# KiCad board LC_RFE-RevA2.kicad_pcb
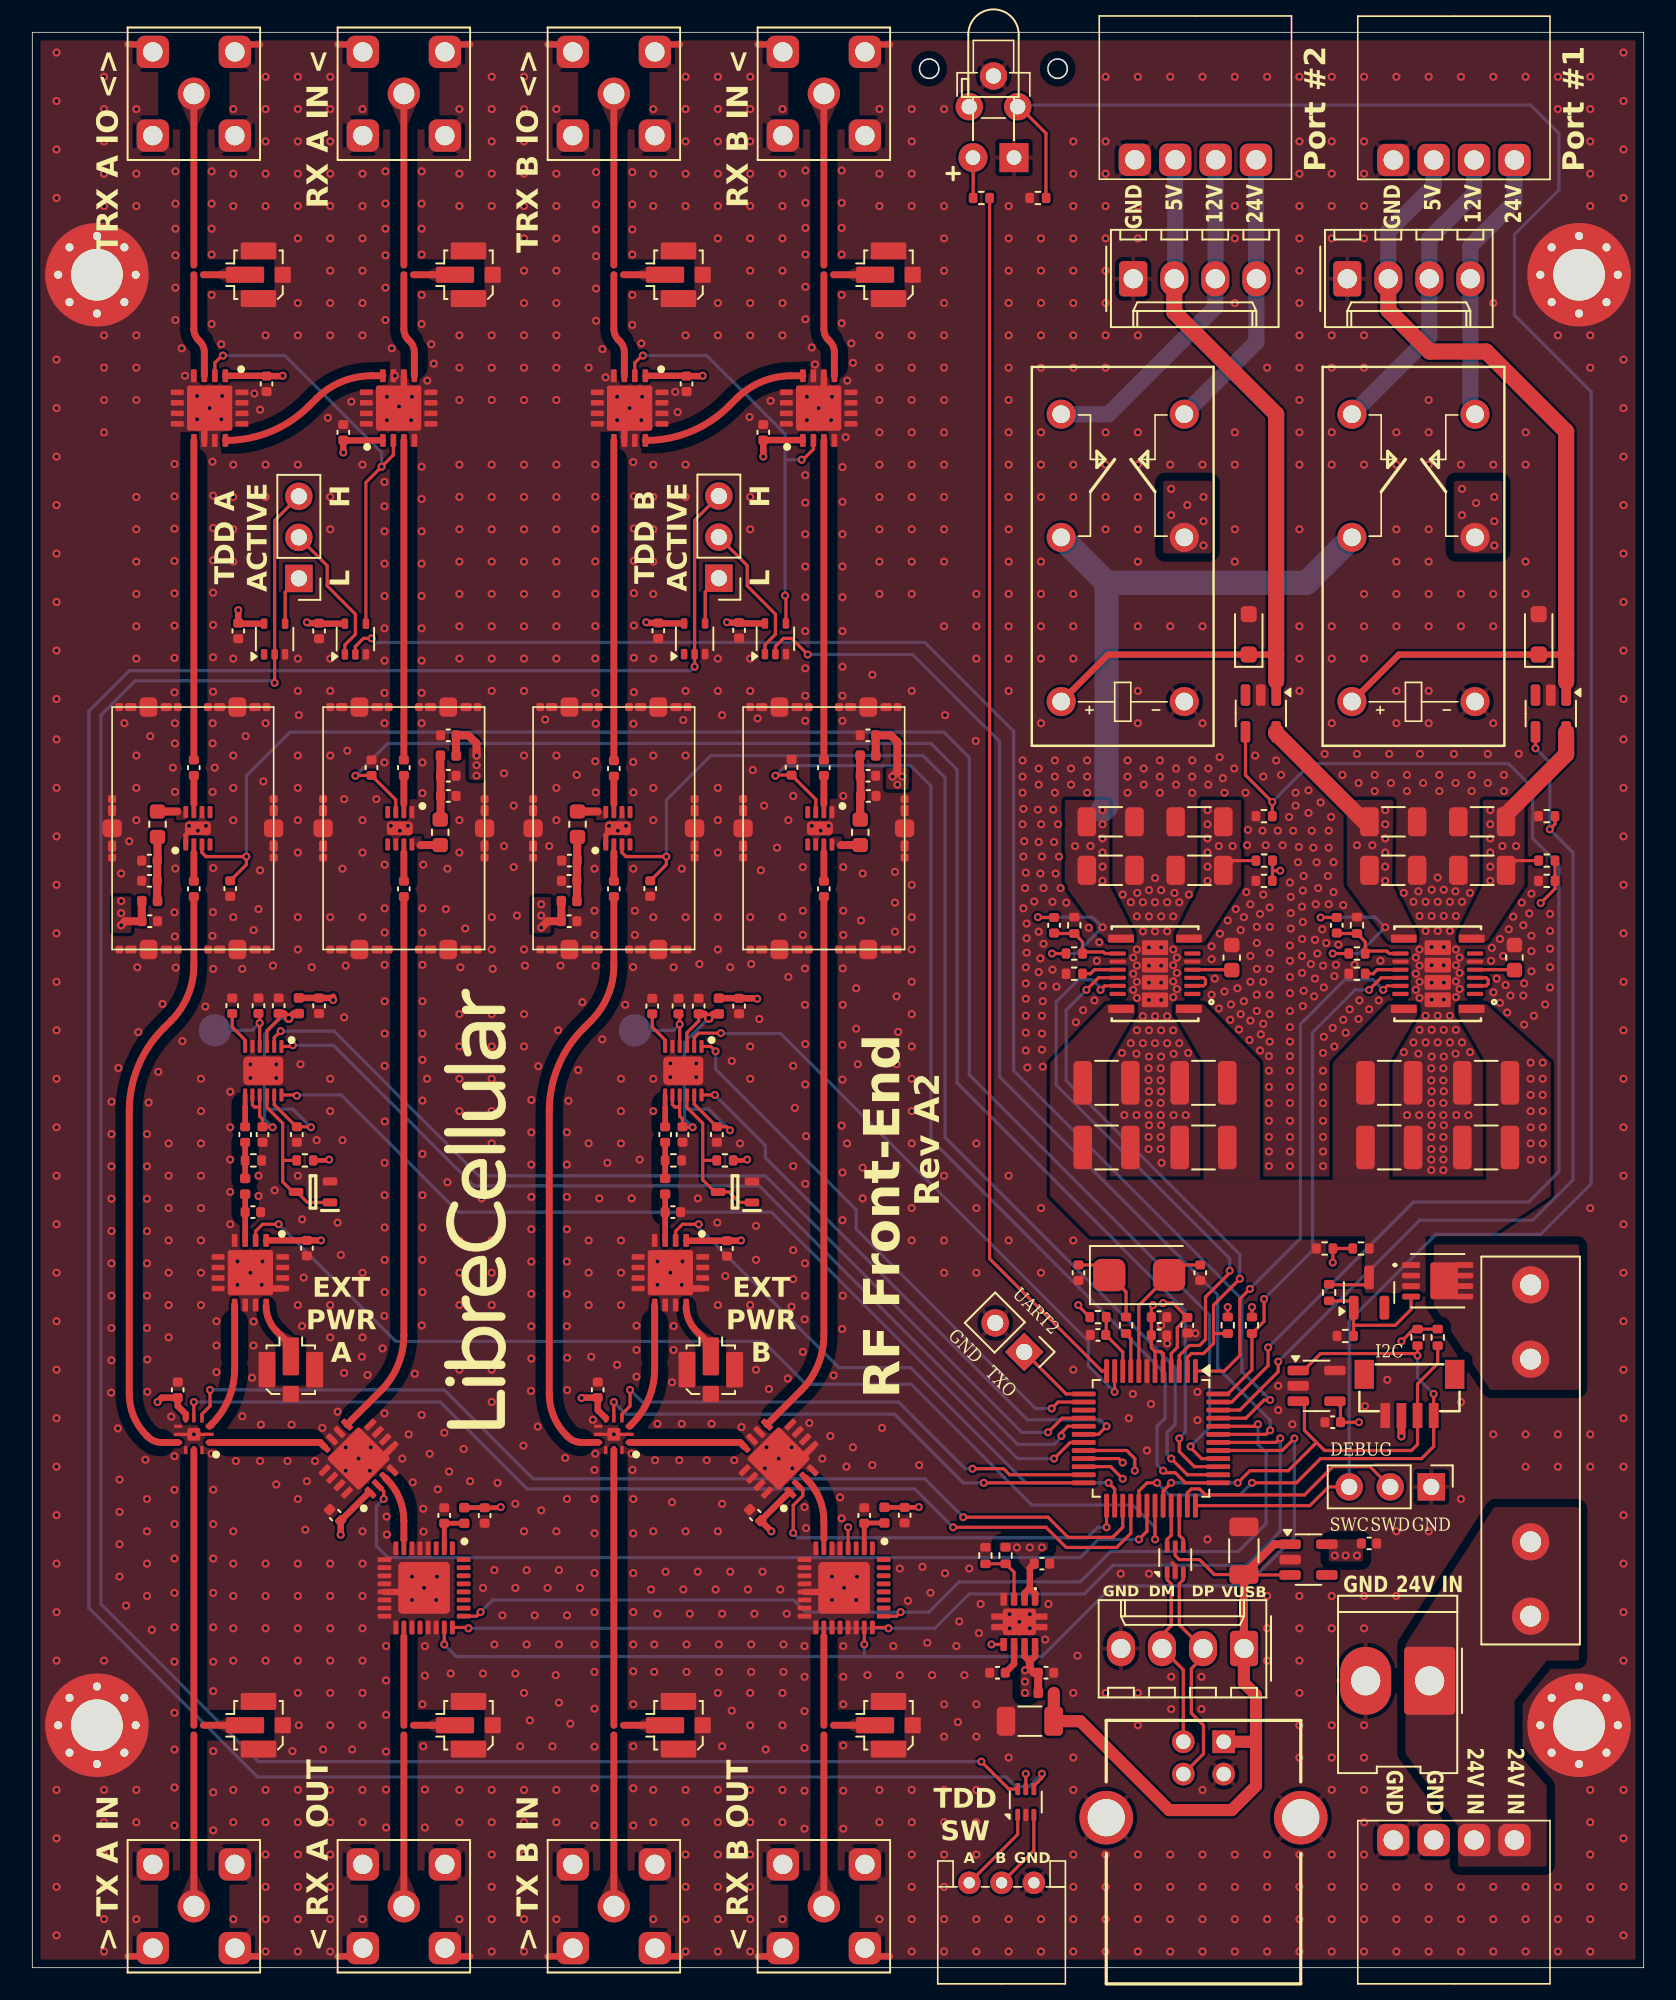
[diagram p0: board, top side]
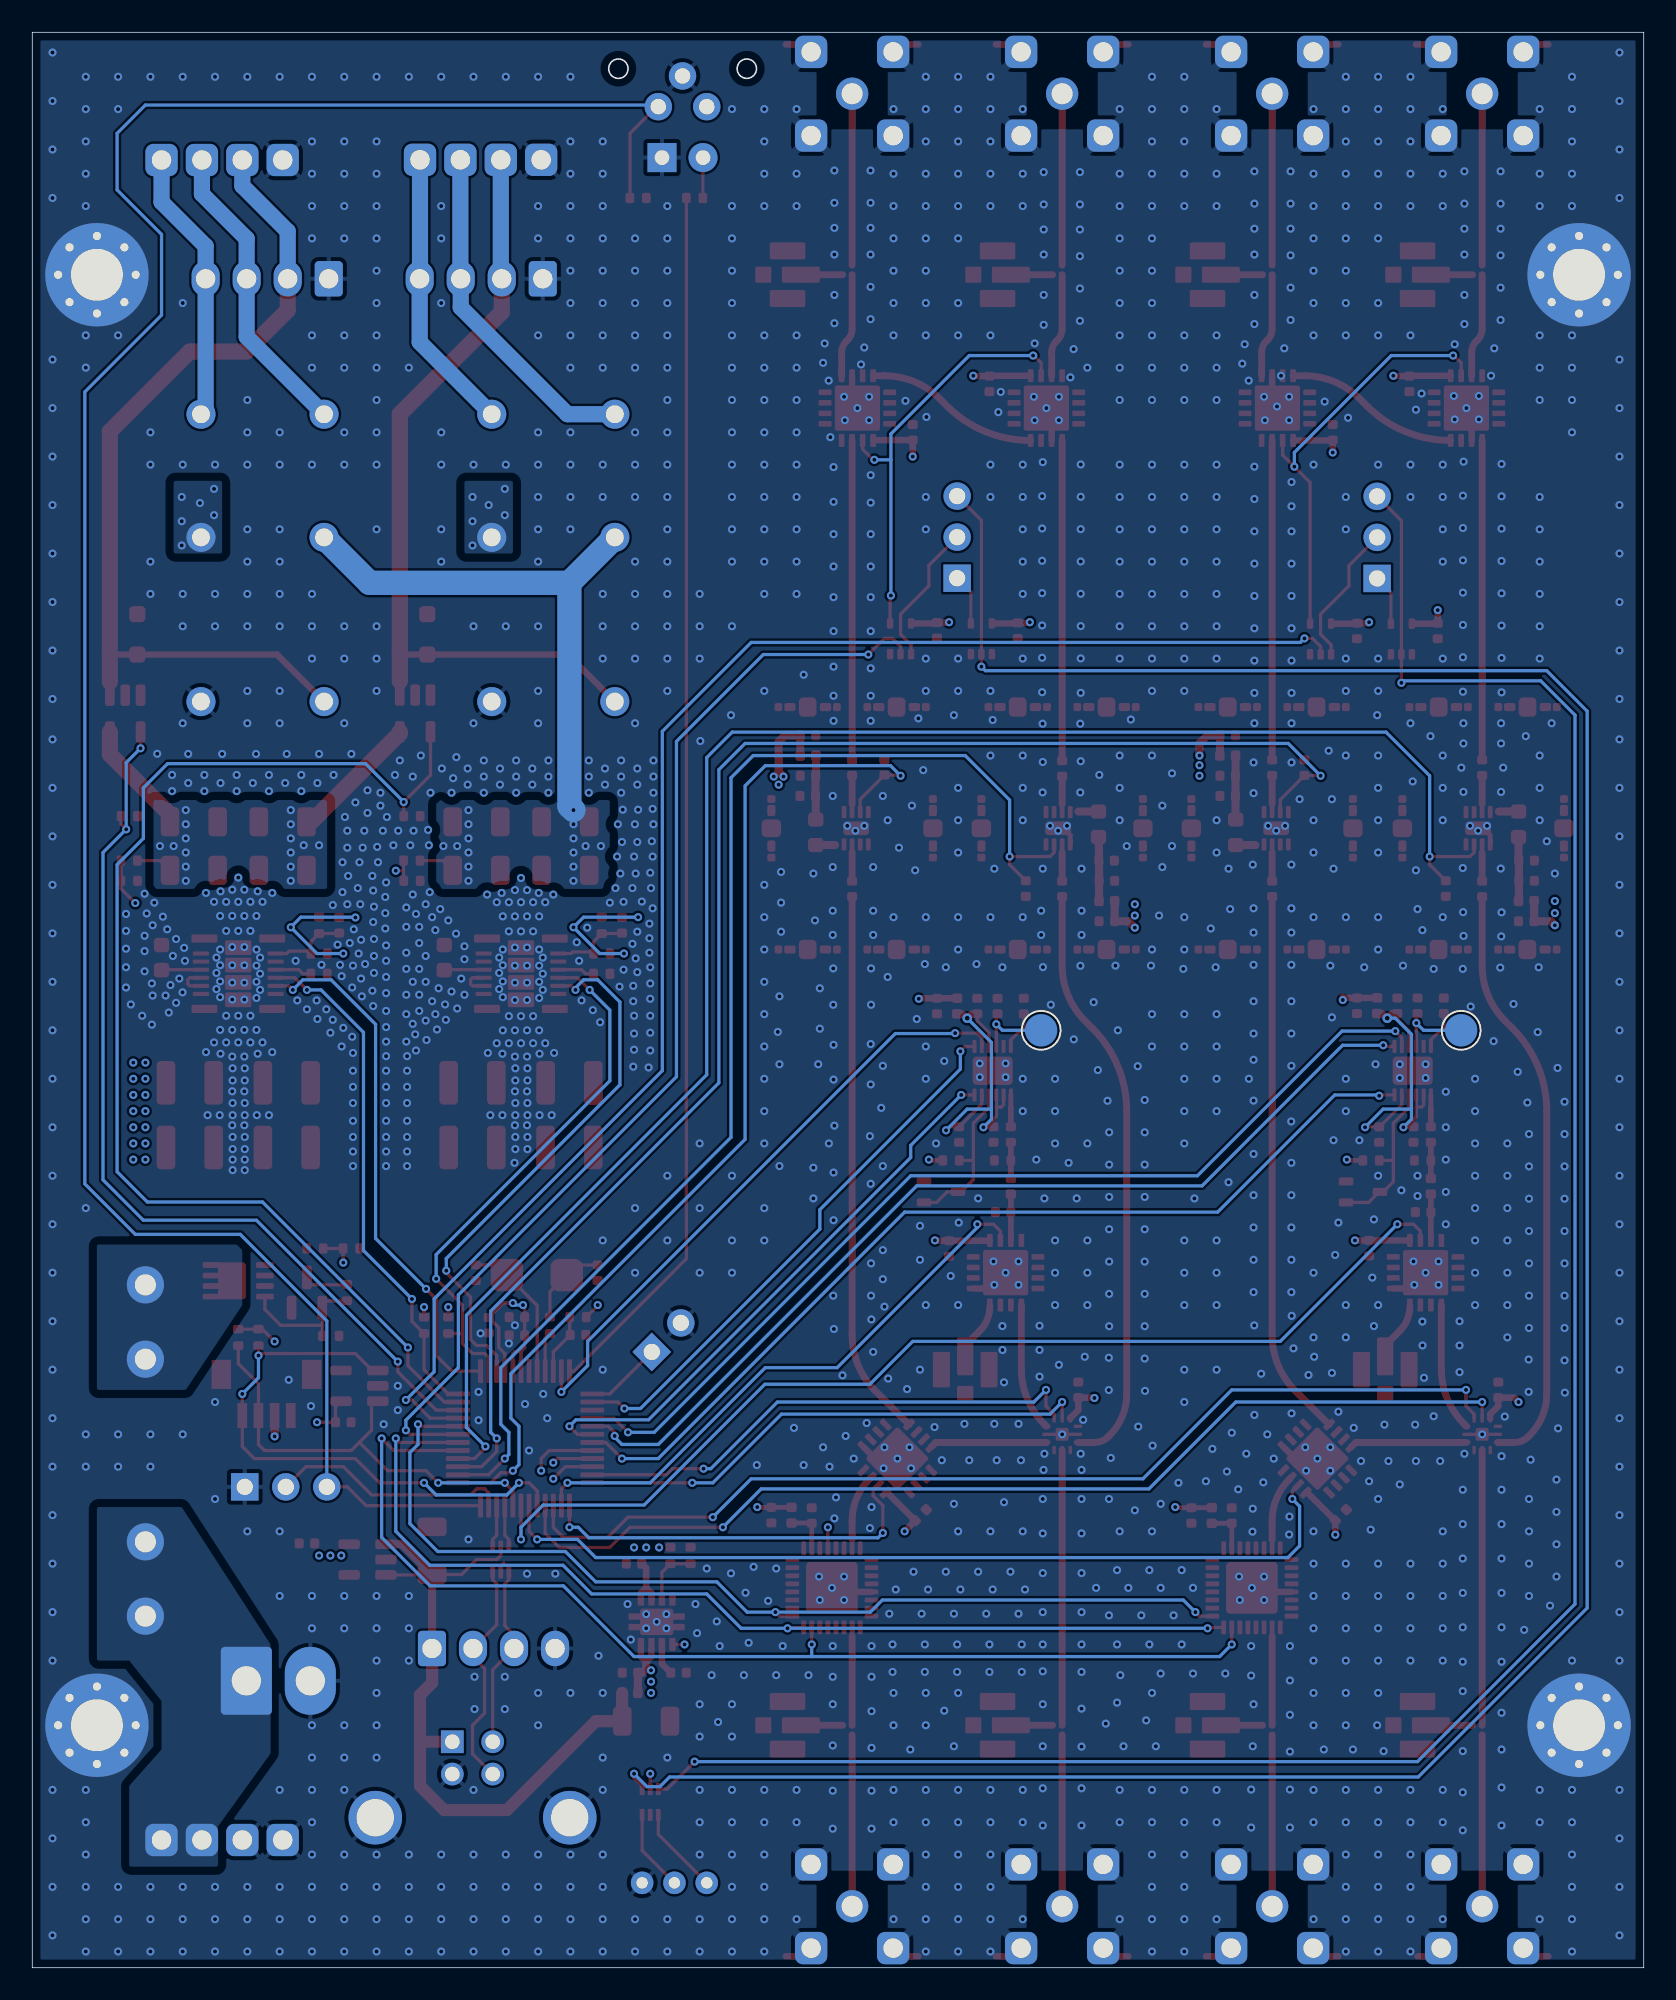
[diagram p1: board, bottom side, seen from below]

Outline 99.75 x 119.75 mm; copper layers: Top, In1.Cu, In2.Cu, Bottom. Coordinates in mm from the lower left corner of the outline.
Outline path: circle c55.52,117.5 r0.6 ; circle c63.47,117.5 r0.6 ; 0,119.75 0,0 99.75,0 99.75,119.75 0,119.75
Stack: Top 0.035mm / dielectric 0.1mm FR4 er 4.5 / In1.Cu 0.035mm / dielectric 1.24mm FR4 er 4.5 / In2.Cu 0.035mm / dielectric 0.1mm FR4 er 4.5 / Bottom 0.035mm

## Placement (name value [footprint] x y rotation side)
C201  10u  [C_1210_3225Metric]  66.5 50.75 0 top
C202  10u  [C_1210_3225Metric]  66.5 54.75 0 top
C203  10u  [C_1210_3225Metric]  72.5 50.75 180 top
C204  10u  [C_1210_3225Metric]  72.5 54.75 180 top
C205  1u  [C_0603_1608Metric]  74.25 62.5 90 top
C206  C  [C_0402_1005Metric]  63.25 64.5 270 top  (not fitted)
C207  22u  [C_1206_3216Metric]  66.75 67.9 0 top
C208  22u  [C_1206_3216Metric]  66.75 70.9 0 top
C209  22u  [C_1206_3216Metric]  72.25 67.9 180 top
C210  22u  [C_1206_3216Metric]  72.25 70.9 180 top
C211  10u  [C_1210_3225Metric]  84 50.75 0 top
C212  10u  [C_1210_3225Metric]  84 54.75 0 top
C213  10u  [C_1210_3225Metric]  90 50.75 180 top
C214  10u  [C_1210_3225Metric]  90 54.75 180 top
C215  1u  [C_0603_1608Metric]  91.75 62.5 90 top
C216  8.2p  [C_0402_1005Metric]  80.75 64.5 270 top
C217  22u  [C_1206_3216Metric]  84.25 67.9 0 top
C218  22u  [C_1206_3216Metric]  84.25 70.9 0 top
C219  22u  [C_1206_3216Metric]  89.75 67.9 180 top
C220  22u  [C_1206_3216Metric]  89.75 70.9 180 top
C301  4u7  [C_0402_1005Metric]  69.75 40.25 0 top
C302  100n  [C_0402_1005Metric]  69.75 39.12 0 top
C303  100n  [C_0402_1005Metric]  71.5 39.75 270 top
C304  100n  [C_0402_1005Metric]  65.97 39.15 180 top
C305  18p  [C_0402_1005Metric]  72.3 43 90 top
C306  18p  [C_0402_1005Metric]  64.76 43 90 top
C307  22u  [C_1206_3216Metric]  75 25.8 90 top
C308  4u7  [C_0402_1005Metric]  82.75 26.25 0 top
C309  100n  [C_0402_1005Metric]  80.5 33.75 180 top
C601  22u  [C_1206_3216Metric]  61.75 15.25 180 top
C602  100n  [C_0402_1005Metric]  62.75 18.25 0 top
C603  4u7  [C_0402_1005Metric]  62.5 25 0 top
C604  100n  [C_0402_1005Metric]  59.75 18.25 180 top
C701  4u7  [C_0402_1005Metric]  28 27.98 270 top
C702  100n  [C_0402_1005Metric]  25.5 27.98 90 top
C801  4u7  [C_0402_1005Metric]  54 28 270 top
C802  100n  [C_0402_1005Metric]  51.5 27.98 90 top
C902  4u7  [C_0402_1005Metric]  17.75 59.52 270 top
C903  100n  [C_0402_1005Metric]  15.25 59.52 90 top
C904  100n  [C_0402_1005Metric]  14.25 51.55 270 top
C905  100n  [C_0402_1005Metric]  16.38 51.55 270 top
C906  1n  [C_0402_1005Metric]  14 59.52 90 top
C907  1n  [C_0402_1005Metric]  13.17 51.55 90 top
C908  1.8p  [C_0402_1005Metric]  13.66 46.75 0 top
C909  10n  [C_0402_1005Metric]  12.38 59.52 90 top  (not fitted)
C910  100n  [C_0402_1005Metric]  9 35.75 90 top
C911  100n  [C_0402_1005Metric]  18.75 28 135 top
C912  100n  [C_0402_1005Metric]  17 44.52 270 top
C1002  4u7  [C_0402_1005Metric]  43.75 59.5 270 top
C1003  100n  [C_0402_1005Metric]  41.25 59.5 90 top
C1004  100n  [C_0402_1005Metric]  40.25 51.55 270 top
C1005  100n  [C_0402_1005Metric]  42.38 51.55 270 top
C1006  1n  [C_0402_1005Metric]  40 59.5 90 top
C1007  1n  [C_0402_1005Metric]  39.17 51.55 90 top
C1008  1.8p  [C_0402_1005Metric]  39.66 46.75 0 top
C1009  10n  [C_0402_1005Metric]  38.38 59.5 90 top  (not fitted)
C1010  100n  [C_0402_1005Metric]  35 35.75 90 top
C1011  100n  [C_0402_1005Metric]  44.75 28 135 top
C1012  100n  [C_0402_1005Metric]  43 44.5 270 top
C1101  4u7  [C_0402_1005Metric]  25.75 76.25 180 top
C1102  1u  [C_0402_1005Metric]  25.75 73.75 0 top
C1103  100p  [C_0402_1005Metric]  23 74.25 270 top
C1104  27p  [C_0402_1005Metric]  23 66.75 270 top
C1105  100n  [C_0402_1005Metric]  21 74.25 90 top
C1106  1000p  [C_0402_1005Metric]  25.75 72.5 0 top
C1201  4u7  [C_0402_1005Metric]  51.73 76.25 180 top
C1202  1u  [C_0402_1005Metric]  51.73 73.75 0 top
C1203  100p  [C_0402_1005Metric]  49 74.25 270 top
C1204  27p  [C_0402_1005Metric]  49 66.75 270 top
C1205  100n  [C_0402_1005Metric]  47 74.27 90 top
C1206  1000p  [C_0402_1005Metric]  51.75 72.5 0 top
C1301  4u7  [C_0402_1005Metric]  7.27 64.75 0 top
C1302  1u  [C_0402_1005Metric]  7.25 67.25 180 top
C1303  100p  [C_0402_1005Metric]  10 66.75 90 top
C1304  27p  [C_0402_1005Metric]  10 74.25 90 top
C1305  100n  [C_0402_1005Metric]  12.25 66.77 270 top
C1306  1000p  [C_0402_1005Metric]  7.25 68.5 180 top
C1401  4u7  [C_0402_1005Metric]  33.23 64.75 0 top
C1402  1u  [C_0402_1005Metric]  33.23 67.25 180 top
C1403  100p  [C_0402_1005Metric]  36 66.75 90 top
C1404  27p  [C_0402_1005Metric]  36 74.2 90 top
C1405  100n  [C_0402_1005Metric]  38.25 66.77 270 top
C1406  1000p  [C_0402_1005Metric]  33.25 68.5 180 top
C1501  100n  [C_0402_1005Metric]  14.5 98 270 top
C1502  100n  [C_0402_1005Metric]  19.25 95 90 top
C1503  100n  [C_0402_1005Metric]  17.75 82.71 270 top
C1504  100n  [C_0402_1005Metric]  12.75 82.71 270 top
C1601  100n  [C_0402_1005Metric]  40.5 98 270 top
C1602  100n  [C_0402_1005Metric]  45.25 95 90 top
C1603  100n  [C_0402_1005Metric]  38.75 82.72 270 top
C1604  100n  [C_0402_1005Metric]  43.75 82.75 270 top
CON101  Conn_01x04  [Dorabo_DB2ERC-2.5-4P-GN]  88 -1 180 top
CON102  Conn_01x02  [Molex_KK-396_5273-02A_1x02_P3.96mm_Vertical]  86.5 17.75 180 top
CON103  USB_B  [Samtec_USBR-B-S-F-O-TH]  72.5 -1 180 top
CON104  Conn_01x04  [Molex_KK-254_AE-6410-04A_1x04_P2.54mm_Vertical]  75.01 19.75 180 top
CON105  -  [BM04B-SRSS-TB]  85.25 35.89 180 top
CON401  Conn_01x04  [Dorabo_DB2ERC-2.5-4P-GN]  88 120.75 0 top
CON402  Conn_01x04  [Dorabo_DB2ERC-2.5-4P-GN]  72 120.76 0 top
CON403  Conn_01x04  [Molex_KK-254_AE-6410-04A_1x04_P2.54mm_Vertical]  81.4 104.5 0 top
CON404  Conn_01x04  [Molex_KK-254_AE-6410-04A_1x04_P2.54mm_Vertical]  68.15 104.5 0 top
CON501  SMA  [Samtec_SMA-J-P-H-RA-TH1_W_CLEARANCE]  10 120.45 0 top
CON502  SMA  [Samtec_SMA-J-P-H-RA-TH1_W_CLEARANCE]  23 120.45 0 top
CON503  SMA  [Samtec_SMA-J-P-H-RA-TH1_W_CLEARANCE]  36 120.45 0 top
CON504  SMA  [Samtec_SMA-J-P-H-RA-TH1_W_CLEARANCE]  49 120.45 0 top
CON505  SMA  [Samtec_SMA-J-P-H-RA-TH1_W_CLEARANCE]  10 -0.7 180 top
CON506  SMA  [Samtec_SMA-J-P-H-RA-TH1_W_CLEARANCE]  23 -0.7 180 top
CON507  SMA  [Samtec_SMA-J-P-H-RA-TH1_W_CLEARANCE]  36 -0.7 180 top
CON508  SMA  [Samtec_SMA-J-P-H-RA-TH1_W_CLEARANCE]  49 -0.7 180 top
CON509  uFL  [Molex_734120110]  14 104.75 270 top
CON510  uFL  [Molex_734120110]  27 104.75 270 top
CON511  uFL  [Molex_734120110]  40 104.75 270 top
CON512  uFL  [Molex_734120110]  53 104.75 270 top
CON513  uFL  [Molex_734120110]  14 15 270 top
CON514  uFL  [Molex_734120110]  27 15 270 top
CON515  uFL  [Molex_734120110]  40 15 270 top
CON516  uFL  [Molex_734120110]  53 15 270 top
CON517  S3B-PH-K-S  [Connector-2mm-1x3P_S3B-PH-K-S]  60 -1 0 top
CON901  uFL  [Molex_734120110]  16 37 180 top
CON1001  uFL  [Molex_734120110]  42 37 180 top
D101  BZX84C12LT1G  [SOT-23]  82.75 41.78 90 top
D102  USBLC6-2P6  [SOT-666]  70.75 25.25 90 top
D301  XSDG43MB  [LED_D3.0mm_Horizontal_O3.81mm_Z6.0mm]  60.77 112 180 top
D401  D_Schottky  [D_SOD-323_HandSoldering]  93.25 82.5 90 top
D402  D_Schottky  [D_SOD-323_HandSoldering]  75.3 82.5 90 top
D501  USBLC6-2P6  [SOT-666]  61.5 10.25 90 top
F101  01000020Z  [Fuseholder_2x_Littelfuse_100_series_5x20mm]  92.75 21.75 90 top
H1  MT  [MountingHole_3.2mm_M3_Pad_Via]  4 104.75 0 top
H2  MT  [MountingHole_3.2mm_M3_Pad_Via]  95.75 104.75 0 top
H3  MT  [MountingHole_3.2mm_M3_Pad_Via]  4 15 0 top
H4  MT  [MountingHole_3.2mm_M3_Pad_Via]  95.75 15 0 top
IC201  Power-Buck_TPSM63604RDLR  [B3QFN-20(5.0x5.5)-RDL0020A]  69.5 61.5 180 top
IC202  Power-Buck_TPSM63604RDLR  [B3QFN-20(5.0x5.5)-RDL0020A]  87 61.5 180 top
IC301  STM32G0B1CBTx  [LQFP-48_7x7mm_P0.5mm]  69.25 32.75 270 top
IC302  TPS7A0533PDBV  [SOT-23-5]  79 25.25 0 top
IC303  FT24C32A-ELR-T  [SOT-23-5]  79.5 36 0 top
IC401  RT9742CGJ5  [TSOT-23-5]  94 77.6 270 top
IC402  RT9742CGJ5  [TSOT-23-5]  76.05 77.61 270 top
IC601  Power-LDO_NCP59800BMNADJTBG  [DFN-8(3x3)]  61.1 21.4 180 top
IC701  RF-Attenuator_F1956NBGI8  [QFN50P500X500X80-33N-D]  24.25 23.5 270 top
IC801  RF-Attenuator_F1956NBGI8  [QFN50P500X500X80-33N-D]  50.25 23.5 270 top
IC901  RF-PwrDet_LTC5587IDD#TRPBF  [SON45P300X300X80-13N-D]  14.3 55.5 270 top
IC902  Power-VRef_ADR5040BKSZ-REEL7  [SOT65P210X110-3N]  17.38 48 180 top
IC903  RF-Switch-SPDT_SKY13286-359LF  [QFN65P400X400X100-17N-D]  13.5 43 270 top
IC904  RF-Switch-SP3T_SKY13588-460LF  [QFN50P200X200X65-13N-D]  10 33 180 top
IC905  RF-Switch-SPDT_SKY13286-359LF  [QFN65P400X400X100-17N-D]  20.2 31.5 135 top
IC1001  RF-PwrDet_LTC5587IDD#TRPBF  [SON45P300X300X80-13N-D]  40.3 55.5 270 top
IC1002  Power-VRef_ADR5040BKSZ-REEL7  [SOT65P210X110-3N]  43.5 48 180 top
IC1003  RF-Switch-SPDT_SKY13286-359LF  [QFN65P400X400X100-17N-D]  39.5 43 270 top
IC1004  RF-Switch-SP3T_SKY13588-460LF  [QFN50P200X200X65-13N-D]  36 33 180 top
IC1005  RF-Switch-SPDT_SKY13286-359LF  [QFN65P400X400X100-17N-D]  46.2 31.5 135 top
IC1101  RF-LNA_TQL9063  [SON50P200X200X90-9N]  22.75 70.5 270 top
IC1201  RF-LNA_TQL9063  [SON50P200X200X90-9N]  48.75 70.5 270 top
IC1301  RF-LNA_TQL9063  [SON50P200X200X90-9N]  10.25 70.5 90 top
IC1401  RF-LNA_TQL9063  [SON50P200X200X90-9N]  36.25 70.5 90 top
IC1501  RF-Switch_SKY13286-359LF  [QFN65P400X400X100-17N-D]  10.97 96.5 270 top
IC1502  RF-Switch_SKY13286-359LF  [QFN65P400X400X100-17N-D]  22.67 96.5 90 top
IC1503  SN74LVC1G04DCK  [SOT-353_SC-70-5]  15 82.21 90 top
IC1504  SN74LVC1G32DCK  [SOT-353_SC-70-5]  20 82.21 90 top
IC1601  RF-Switch_SKY13286-359LF  [QFN65P400X400X100-17N-D]  36.97 96.5 270 top
IC1602  RF-Switch_SKY13286-359LF  [QFN65P400X400X100-17N-D]  48.67 96.5 90 top
IC1603  SN74LVC1G04DCK  [SOT-353_SC-70-5]  41 82.22 90 top
IC1604  SN74LVC1G32DCK  [SOT-353_SC-70-5]  46 82.22 90 top
J301  Conn_01x03  [PinHeader_1x03_P2.54mm_Vertical]  86.6 29.75 270 top
J302  Conn_01x03  [PinHeader_1x02_P2.54mm_Vertical]  61.4 38.1 225 top
J1501  Conn_01x03  [PinHeader_1x03_P2.54mm_Vertical]  16.5 85.96 180 top
J1601  Conn_01x03  [PinHeader_1x03_P2.54mm_Vertical]  42.5 85.97 180 top
K401  Relay  [Omron_P6B-26P+G6B-2214]  85.5 87.33 180 top
K402  Relay  [Omron_P6B-26P+G6B-2214]  67.5 87.33 180 top
L601  FB  [L_0402_1005Metric]  62.75 17 180 top
L701  FB  [L_0402_1005Metric]  26.74 27.98 270 top
L801  FB  [L_0402_1005Metric]  52.75 28 270 top
L901  FB  [L_0402_1005Metric]  16.5 59.52 270 top
L902  1.5nH  [L_0402_1005Metric]  13.17 48.35 90 top
L1001  FB  [L_0402_1005Metric]  42.5 59.5 270 top
L1002  1.5nH  [L_0402_1005Metric]  39.17 48.35 90 top
L1101  FB  [L_0402_1005Metric]  25.75 75 180 top
L1102  68nH  [L_0603_1608Metric]  25.25 70.25 270 top
L1201  FB  [L_0402_1005Metric]  51.73 75 180 top
L1202  68nH  [L_0603_1608Metric]  51.25 70.25 270 top
L1301  FB  [L_0402_1005Metric]  7.27 66 0 top
L1302  68nH  [L_0603_1608Metric]  7.75 70.75 90 top
L1401  FB  [L_0402_1005Metric]  33.23 66 0 top
L1402  68nH  [L_0603_1608Metric]  33.75 70.75 90 top
MECH1101  ~  [Harwin_S03-15100300R]  23 70.5 90 top
MECH1101_a1  ~  [Harwin_S0941-46R]  20.25 78 0 top
MECH1101_b1  ~  [Harwin_S0941-46R]  25.75 78 0 top
MECH1101_c1  ~  [Harwin_S0941-46R]  28 70.5 90 top
MECH1101_d1  ~  [Harwin_S0941-46R]  25.75 63 0 top
MECH1101_e1  ~  [Harwin_S0941-46R]  20.25 63 0 top
MECH1101_f1  ~  [Harwin_S0941-46R]  18 70.5 90 top
MECH1201  ~  [Harwin_S03-15100300R]  49 70.5 90 top
MECH1201_a1  ~  [Harwin_S0941-46R]  46.25 78 0 top
MECH1201_b1  ~  [Harwin_S0941-46R]  51.75 78 0 top
MECH1201_c1  ~  [Harwin_S0941-46R]  54 70.5 90 top
MECH1201_d1  ~  [Harwin_S0941-46R]  51.75 63 0 top
MECH1201_e1  ~  [Harwin_S0941-46R]  46.25 63 0 top
MECH1201_f1  ~  [Harwin_S0941-46R]  44 70.5 90 top
MECH1301  ~  [Harwin_S03-15100300R]  9.94 70.5 90 top
MECH1301_a1  ~  [Harwin_S0941-46R]  7.19 78 0 top
MECH1301_b1  ~  [Harwin_S0941-46R]  12.69 78 0 top
MECH1301_c1  ~  [Harwin_S0941-46R]  14.94 70.5 90 top
MECH1301_d1  ~  [Harwin_S0941-46R]  12.7 63 0 top
MECH1301_e1  ~  [Harwin_S0941-46R]  7.2 63 0 top
MECH1301_f1  ~  [Harwin_S0941-46R]  4.94 70.5 90 top
MECH1401  ~  [Harwin_S03-15100300R]  36 70.5 90 top
MECH1401_a1  ~  [Harwin_S0941-46R]  33.25 78 0 top
MECH1401_b1  ~  [Harwin_S0941-46R]  38.75 78 0 top
MECH1401_c1  ~  [Harwin_S0941-46R]  41 70.5 90 top
MECH1401_d1  ~  [Harwin_S0941-46R]  38.75 63 0 top
MECH1401_e1  ~  [Harwin_S0941-46R]  33.25 63 0 top
MECH1401_f1  ~  [Harwin_S0941-46R]  31 70.5 90 top
Q101  BSZ086P03NS3G  [TSDSON-8(3.3x3.3)]  87 42.5 270 top
R101  R  [R_0402_1005Metric]  80.28 41.78 270 top  (not fitted)
R102  10K  [R_0402_1005Metric]  81.28 39.09 180 top
R103  191K 0.1%  [R_0402_1005Metric]  82.25 44.5 180 top
R104  26.1K 0.1%  [R_0402_1005Metric]  80 44.5 180 top
R105  75K 0.1%  [R_0402_1005Metric]  76.26 68.5 0 top
R106  26.1K 0.1%  [R_0402_1005Metric]  76.25 67.25 180 top
R107  26.1K 0.1%  [R_0402_1005Metric]  93.75 68.5 0 top
R108  26.1K 0.1%  [R_0402_1005Metric]  93.75 67.25 180 top
R201  110K 0.1%  [R_0402_1005Metric]  64.5 62.75 0 top
R202  10K  [R_0402_1005Metric]  74 39.75 270 top
R203  10K  [R_0402_1005Metric]  64.5 64.5 90 top
R204  6.98K 1%  [R_0402_1005Metric]  64.5 61.5 180 top
R205  40.2K 0.1%  [R_0402_1005Metric]  82 62.75 0 top
R206  10K  [R_0402_1005Metric]  75.5 39.75 270 top
R207  10K  [R_0402_1005Metric]  82 64.5 90 top
R208  12.1K  [R_0402_1005Metric]  82 61.5 180 top
R301  10K  [R_0402_1005Metric]  65.97 40.25 0 top
R302  390  [R_0402_1005Metric]  67.71 39.75 270 top
R303  2.2K  [R_0402_1005Metric]  58.75 109.5 180 top
R304  3.3K  [R_0402_1005Metric]  87 39 90 top
R305  3.3K  [R_0402_1005Metric]  85.75 39 90 top
R306  10K  [R_0402_1005Metric]  62.25 109.5 180 top
R401  10K  [R_0402_1005Metric]  93.75 71.25 180 top
R402  10K  [R_0402_1005Metric]  76.25 71.25 180 top
R501  0  [0201-SQUARE]  10 14.7 90 top
R502  0  [0201-SQUARE]  10.3 15 180 top
R503  0  [0201-SQUARE]  23 14.7 90 top
R504  0  [0201-SQUARE]  23.3 15 180 top
R505  0  [0201-SQUARE]  36 14.7 90 top
R506  0  [0201-SQUARE]  36.3 15 180 top
R507  0  [0201-SQUARE]  49 14.7 90 top
R508  0  [0201-SQUARE]  49.3 15 180 top
R509  0  [0201-SQUARE]  10 105.05 90 top
R510  0  [0201-SQUARE]  10.3 104.75 0 top
R511  0  [0201-SQUARE]  23 105.05 90 top
R512  0  [0201-SQUARE]  23.3 104.75 0 top
R513  0  [0201-SQUARE]  36 105.05 90 top
R514  0  [0201-SQUARE]  36.3 104.75 0 top
R515  0  [0201-SQUARE]  49 105.05 90 top
R516  0  [0201-SQUARE]  49.3 104.75 0 top
R601  30K9  [R_0402_1005Metric]  60.25 25.5 270 top
R602  10K  [R_0402_1005Metric]  59 25.5 90 top
R901  390  [R_0402_1005Metric]  16.88 49.95 180 top
R902  68 0.1%  [R_0402_1005Metric]  13.69 49.95 0 top
R1001  390  [R_0402_1005Metric]  42.88 49.95 180 top
R1002  68 0.1%  [R_0402_1005Metric]  39.69 49.95 0 top
SW301  TCB73B-H048-L1  [PushButton-TCB73B-H048-L1]  59.5 119.25 180 top
TP901  TestPoint  [TestPoint_Pad_D2.0mm]  11.3 58 180 bottom
TP1001  TestPoint  [TestPoint_Pad_D2.0mm]  37.3 58 180 bottom
Y301  8MHz  [Crystal_SMD_5032-2Pin_5.0x3.2mm]  68.52 42.85 0 top
